# Altium PCB PCB.PcbDoc (continued)
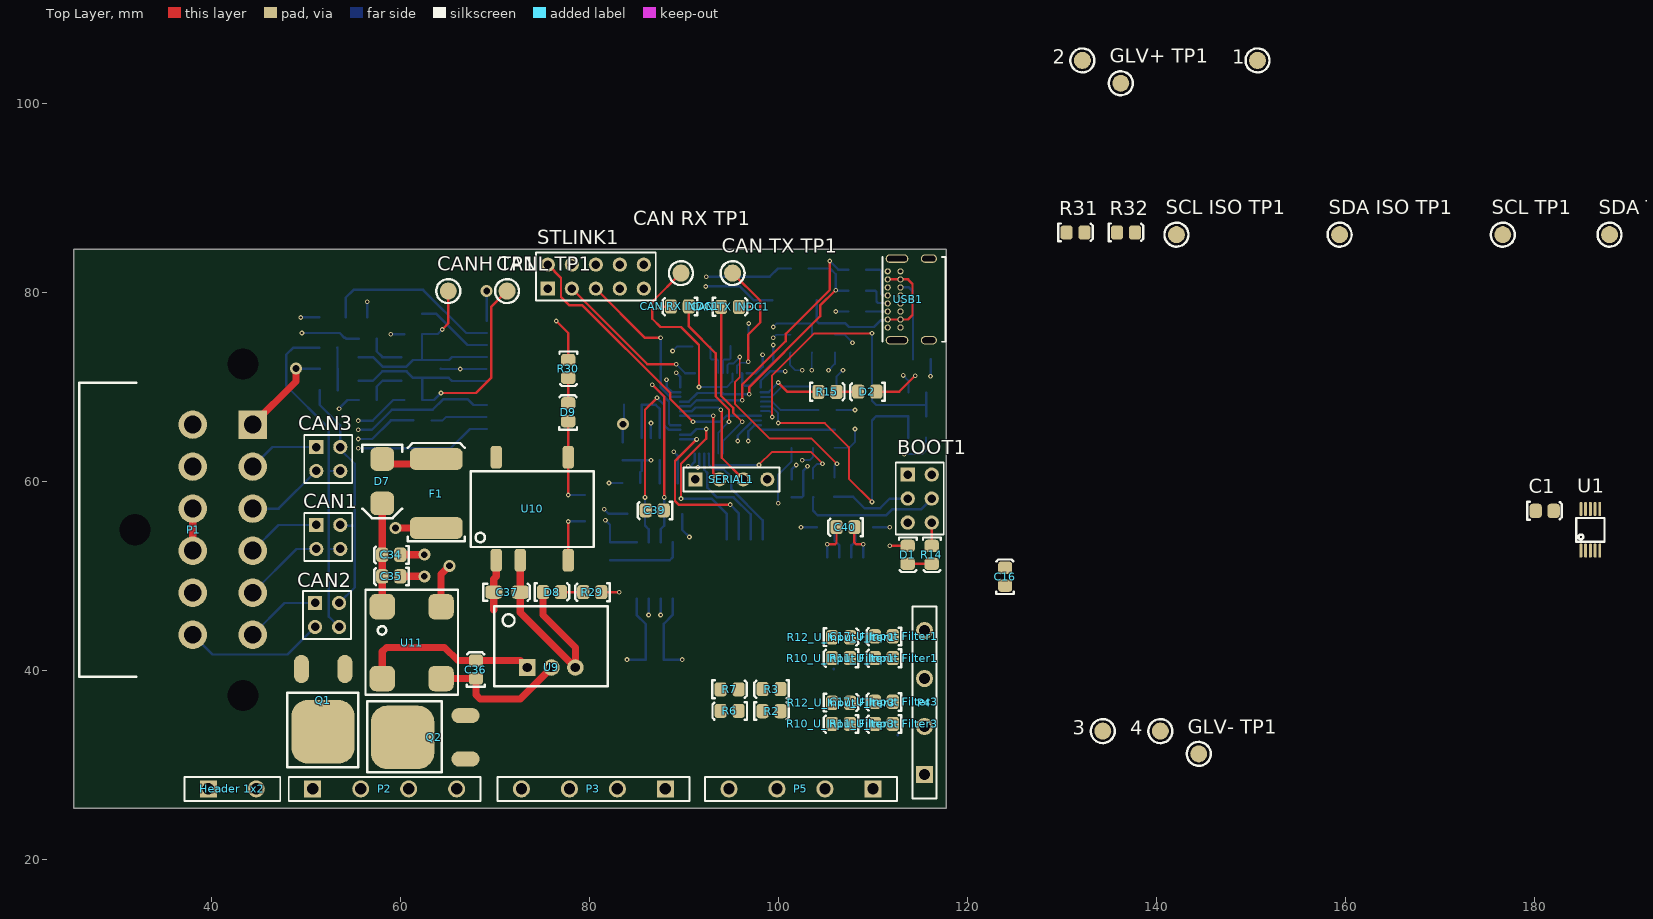
[diagram p0: Top Layer view]
## Footprints (in the part's own frame and the unit in brackets; to place one, negate y for a bottom-side part, rotate by r counter-clockwise, add the part's x,y. Pads: shape width x height; smd on the part's side, far side on the other; paste and mask are expansions set on the pad) (continued)
  rrect50% 1.2x0.3 smd mask+0.05: 13(4.25,-2.75) 14(4.25,-2.25) 15(4.25,-1.75) 16(4.25,-1.25) 17(4.25,-0.75) 18(4.25,-0.25) 19(4.25,0.25) 20(4.25,0.75) 21(4.25,1.25) 22(4.25,1.75) 23(4.25,2.25) 24(4.25,2.75) 37(-4.25,2.75) 38(-4.25,2.25) 39(-4.25,1.75) 40(-4.25,1.25) 41(-4.25,0.75) 42(-4.25,0.25) 43(-4.25,-0.25) 44(-4.25,-0.75) 45(-4.25,-1.25) 46(-4.25,-1.75) 47(-4.25,-2.25) 48(-4.25,-2.75)
  silkscreen extent -3.5,-3.5 3.5,3.5, body extent -4.6,-4.6 4.6,4.6, height 1.6
"STM TO-252 MOSFET" [mm]
  rrect50% 6.7x6.7 smd: D(2.3,-6.65)
  oval 1.6x3 smd: G(4.6,0) S(0,0)
  silkscreen extent -1.5,-10.4 6,-2.5, body extent -1.08,-9.67 5.64,0.75, height 2.39
"TDK 4-PC Pad" [mm]
  rrect50% 1.35x0.9 smd: 1(0,0) 2(0,-2.5) 3(4.55,-2.5) 4(4.55,0)
  silkscreen extent -1,-3.2 5.5,0.7, body extent -0.02,-2.82 4.48,0.38, height 2.8
"TH 2.54mm Header 1x4" [mm]
  rect 1.5x1.5 hole 0.9: 1(0,0)
  round 1.5 hole 0.9: 2(2.54,0) 3(5.08,0) 4(7.62,0)
  silkscreen extent -1.27,-1.27 8.89,1.27
"TH 2.54mm Header 2x2" [mm]
  rect 1.5x1.5 hole 0.9: 1(0,0)
  round 1.5 hole 0.9: 2(0,2.54) 3(2.54,0) 4(2.54,2.54)
  silkscreen extent -1.27,-1.27 3.81,3.81
"TH 2.54mm Header 2x3" [mm]
  rect 1.5x1.5 hole 0.9: 1(0,0)
  round 1.5 hole 0.9: 2(0,2.54) 3(2.54,0) 4(2.54,2.54) 5(5.08,0) 6(5.08,2.54)
  silkscreen extent -1.27,-1.27 6.35,3.81
"TH 2.54mm Header 2x5" [mm]
  rect 1.5x1.5 hole 0.9: 1(0,0)
  round 1.5 hole 0.9: 2(0,2.54) 3(2.54,0) 4(2.54,2.54) 5(5.08,0) 6(5.08,2.54) 7(7.62,0) 8(7.62,2.54) 9(10.16,0) 10(10.16,2.54)
  silkscreen extent -1.27,-1.27 11.43,3.81
"TH 5.08mm Header 1x2" [mm]
  rect 1.8x1.8 hole 1.2: 1(0,0)
  round 1.8 hole 1.2: 2(5.08,0)
  silkscreen extent -2.54,-1.27 7.62,1.27
"TH 5.08mm Header 1x4" [mm]
  rect 1.8x1.8 hole 1.2: 1(0,0)
  round 1.5 hole 0.9: 2(5.08,0)
  round 1.8 hole 1.2: 2(5.08,0) 3(10.16,0) 4(15.24,0)
  silkscreen extent -2.54,-1.27 17.78,1.27
"TI 8-SOIC" [mm]
  oval 1.2x0.6 smd: 1(-9.677,2.54) 2(-9.677,1.27) 3(-9.677,0) 4(-9.677,-1.27) 5(-4.089,-1.27) 6(-4.089,0) 7(-4.089,1.27) 8(-4.089,2.54)
  silkscreen extent -9,-1.78 -4.75,3.18, body extent -9.96,-1.87 -3.76,3.14, height 1.76
"TI 10-VSSOP" [mm]
  rrect50% 1.45x0.3 smd mask+0.05: 1(-2.2,1) 2(-2.2,0.5) 3(-2.2,0) 4(-2.2,-0.5) 5(-2.2,-1) 6(2.2,-1) 7(2.2,-0.5) 8(2.2,0) 9(2.2,0.5) 10(2.2,1)
  silkscreen extent -1.25,-1.5 1.25,1.5, body extent -2.45,-1.5 2.45,1.5, height 1.12
USB4085-GF-A [mm]
  round 0.65 hole 0.4: A1(-2.848,4.025) A4(-1.998,4.025) A5(-1.148,4.025) A6(-0.298,4.025) A7(0.552,4.025) A8(1.402,4.025) A9(2.252,4.025) A12(3.102,4.025) B1(3.102,2.675) B4(2.252,2.675) B5(1.402,2.675) B6(0.552,2.675) B7(-0.298,2.675) B8(-1.148,2.675) B9(-1.998,2.675) B12(-2.848,2.675)
  oval 0.9x2.4 hole 0.6 slot 2.1 at 90 deg: P1(-4.198,3.045) P2(4.452,3.045)
  oval 0.9x1.7 hole 0.6 slot 1.4 at 90 deg: P3(4.452,-0.335) P4(-4.198,-0.335)
  silkscreen extent -4.35,-2.07 4.6,4.58, body extent -4.39,-4.56 4.64,4.61, height 3.46
"Wurth 4-PC Pad" [mm]
  rrect50% 2.7x2.7 smd: 1(7.62,6.22) 2(0,6.22) 3(0,0) 4(7.62,0)
  silkscreen extent -1.7,-1.8 9.4,8, body extent -1.19,-1.24 8.81,7.46, height 6.2

## Part data
1 2 3 4 "CAN RX TP1" "CAN TX TP1" "CANH TP1" "CANL TP1" "GLV+ TP1" "GLV- TP1" "SCL ISO TP1" "SCL TP1" "SDA ISO TP1" "SDA TP1": library part "SMD Test Point", Angle=0, Contact=NA, Flange=No, Part Number="SMD Test Point", Pitch=0mm, Positions=1, Row Spacing=0
BOOT1: library part "TH 2.54mm Header 2x3", Angle=0, Contact=NA, Flange=No, Part Number="TH 2.54mm Header 2x3", Pitch=2.54mm, Positions=6, Row Spacing=2.54mm
C1 C3 C4 C7 C9 C15 C16 "C17_U_Input Filter1" "C17_U_Input Filter2" "C17_U_Input Filter3" "C17_U_Input Filter4" C18 C22 C25 C26 C27 C31 C32 C39 C40: library part GCM21BR71E104KA37L, Manufacturer=muRata, Rated Voltage=25V, Tolerance=10%, Material=X7R, Part Number=GCM21BR71E104KA37L
C2 C5: library part GCM3195C2A103JA16D, Digikey Part Number=490-4978-2-ND, Manufacturer=muRata, Rated Voltage=100V, Tolerance=5%, Material=Ceramic, Part Number=GCM3195C2A103JA16D
C6 C8 C33 C34 C35 C36: library part GRM21BR6YA106KE43L, Digikey Part Number=490-10514-6-ND, Manufacturer=muRata, Rated Voltage=50V, Tolerance=10%, Material=X5R, Part Number=GRM21BR6YA106KE43L
C10 C19 C20 C29 C30: library part GCM21B5C1H220JA37L, Manufacturer=muRata, Rated Voltage=50V, Tolerance=5%, Material=C0G, Part Number=GCM21B5C1H220JA37L
C11 C12 C13 C14: library part GCM21B5C1H101JA37L, Manufacturer=muRata, Rated Voltage=50V, Tolerance=5%, Material=C0G, Part Number=GCM21B5C1H101JA37L
C21 C23 C24: library part AC0805KKX7R8BB105, Manufacturer=YAGEO, Rated Voltage=25V, Tolerance=10%, Material=X7R, Part Number=AC0805KKX7R8BB105
C28: library part GRM21BR61A226ME51L, Digikey Part Number=490-10511-1-ND, Manufacturer=muRata, Rated Voltage=10V, Tolerance=20%, Material=X5R, Part Number=GRM21BR61A226ME51L
C37 C38: library part CC1206MKX5R7BB226, Digikey Part Number=311-1997-2-ND, Manufacturer=YAGEO, Rated Voltage=16V, Tolerance=20%, Material=Ceramic, Part Number=CC1206MKX5R7BB226
CAN1 CAN2 CAN3: library part "TH 2.54mm Header 2x2", Angle=0, Contact=NA, Flange=No, Part Number="TH 2.54mm Header 2x2", Pitch=2.54mm, Positions=4, Row Spacing=2.54mm
"CAN RX INDC1" "CAN TX INDC1": library part SML-MN2BCTT86C, "LED BLUE CLEAR 2012 SMD", Digikey Part Number=846-1207-1-ND, Manufacturer="ROHM Semiconductor", Colour=Blue, Digikey Link=https://www.digikey.com/product-detail/en/rohm-semiconductor/SMLMN2BCTT86C/846-1207-1-ND/6057239, Part Number=SML-MN2BCTT86C
"CAN TERM R1" "CAN TERM R2": library part RC0805FR0756RL, Digikey Part Number=311-56.0CRCT-ND, Manufacturer=YAGEO, Rated Voltage=0.125W, Tolerance=0.01, Material=FR-07, Part Number=RC0805FR0756RL
D1 D2 D8 D9: library part SML-210LTT86, "Red LED Indication - Discrete 1.75V 0805 (2012 Metric)", Digikey Part Number=511-1286-1-ND, Manufacturer="ROHM Semiconductor", Colour=Red, Digikey Link=https://www.digikey.com/product-detail/en/rohm-semiconductor/SML-210LTT86/511-1286-1-ND/637099, Part Number=SML-210LTT86
D3 D5 D7 D10: "1.2V_F 600V 5A SMB", Digikey Part Number=1655-1530-2-ND, Manufacturer="SMC Diode Solutions", Digikey Link=https://www.digikey.com/product-detail/en/smc-diode-solutions/SD560BTR/1655-1530-2-ND/6022620, Part Number=SD560BTR
D4 D6: library part SML-211DTT86, "Orange LED Indication - Discrete 1.75V 0805 (2012 Metric)", Digikey Part Number=511-1291-1-ND, Manufacturer="ROHM Semiconductor", Colour=Orange, Digikey Link=https://www.digikey.com/product-detail/en/rohm-semiconductor/SML-211DTT86/511-1291-1-ND/637104, Part Number=SML-211DTT86
F1: "PTC RESET FUSE 60V 1A 292", Digikey Part Number=507-2070-1-ND, Manufacturer="Littelfuse Inc.", Digikey Link=https://www.digikey.com/product-detail/en/bel-fuse-inc/0ZCF0100AF2A/507-2070-1-ND/6210547, Part Number=0ZCF0100AF2A
"Header 1x2": library part "TH 5.08mm Header 1x2", Angle=0, Contact=NA, Flange=No, Part Number="TH 5.08mm Header 1x2", Pitch=2.54mm, Positions=2, Row Spacing=5.08mm
P1: Digikey Part Number=1734-1451-ND, Angle=90, Contact=Nickel, Digikey Link=https://www.digikey.com.au/product-detail/en/te-connectivity-deutsch-connectors/DT13-12PA/1734-1451-ND/7220123, Flange=Yes, Part Number=DT13-12P, Pitch=4.44mm, Positions=12, Row Spacing=6.35mm
P2 P3 P4 P5: library part "TH 5.08mm Header 1x4", Angle=0, Contact=NA, Flange=No, Part Number="TH 5.08mm Header 1x4", Pitch=2.54mm, Positions=4, Row Spacing=5.08mm
"PCB NTC1": library part NTCS0805E3103FLT, Digikey Part Number=BC2733CT-ND, Manufacturer="Vishay Beyschlag", Rated Voltage=210mW, Tolerance=0.01, Part Number=NTCS0805E3103FLT
Q1 Q2: "N-Channel 100V 60A (Tc) 125W (Tc) Surface Mount DPAK", Digikey Part Number=497-8806-2-ND, Manufacturer=STMicroelectronics, Digikey Link=https://www.digikey.com/product-detail/en/stmicroelectronics/STD70N10F4/497-8806-2-ND/2035599, LatestRevisionDate=29-May-2009, LatestRevisionNote="IPC-7351 Footprint Added.", PackageDescription="4-Pin SOT-343 Package 1.3 mm Pitch, 2.1 mm Lead Span", PackageReference=SOT-343, PackageVersion=Sep-2000, Part Number=STD70N10F4, Published=24-Mar-1999, Publisher="Altium Limited"
R1: library part RC0805FR070RL, Digikey Part Number=311-0.0CRCT-ND, Manufacturer=YAGEO, Rated Voltage=0.125W, Tolerance=0.01, Material=FR-07, Part Number=RC0805FR070RL
R2 R3 R4 R5 R6 R7 R8 R9 "R10_U_Input Filter1" "R10_U_Input Filter2" "R10_U_Input Filter3" "R10_U_Input Filter4" "R12_U_Input Filter1" "R12_U_Input Filter2" "R12_U_Input Filter3" "R12_U_Input Filter4" R13 R18 R21 R24 R27: library part RC0805FR0710KL, Digikey Part Number=311-10.0KCRCT-ND, Manufacturer=YAGEO, Rated Voltage=0.125W, Tolerance=0.01, Material=FR-07, Part Number=RC0805FR0710KL
"R11_U_Input Filter1" "R11_U_Input Filter2" "R11_U_Input Filter3" "R11_U_Input Filter4": library part RC0805FR071KL, Digikey Part Number=311-1.00KCRCT-ND, Manufacturer=YAGEO, Rated Voltage=0.125W, Tolerance=0.01, Material=FR-07, Part Number=RC0805FR071KL
R14 R15 R30: library part RC0805FR07510RL, Digikey Part Number=311-510CRCT-ND, Manufacturer=YAGEO, Rated Voltage=0.125W, Tolerance=0.01, Material=FR-07, Part Number=RC0805FR07510RL
R16 R17 R29: library part RC0805FR07680RL, Digikey Part Number=311-680CRCT-ND, Manufacturer=YAGEO, Rated Voltage=0.125W, Tolerance=0.01, Material=FR-07, Part Number=RC0805FR07680RL
R19 R20: library part RC0805FR075K1L, Digikey Part Number=311-5.10KCRCT-ND, Manufacturer=YAGEO, Rated Voltage=0.125W, Tolerance=0.01, Material=FR-07, Part Number=RC0805FR075K1L
R22: library part RC0805FR0710ML, Digikey Part Number=311-10.0MCRCT-ND, Manufacturer=YAGEO, Rated Voltage=0.125W, Tolerance=0.01, Material=FR-07, Part Number=RC0805FR0710ML
R23 R26: library part RC0805FR071K5L, Digikey Part Number=311-1.50KCRCT-ND, Manufacturer=YAGEO, Rated Voltage=0.125W, Tolerance=0.01, Material=FR-07, Part Number=RC0805FR071K5L
R25 R28: library part RC0805FR0720KL, Digikey Part Number=311-20.0KCRCT-ND, Manufacturer=YAGEO, Rated Voltage=0.125W, Tolerance=0.01, Material=FR-07, Part Number=RC0805FR0720KL
R31 R32 R33 R34: library part RC0805FR073K3L, Digikey Part Number=311-3.30KCRCT-ND, Manufacturer=YAGEO, Rated Voltage=0.125W, Tolerance=0.01, Material=FR-07, Part Number=RC0805FR073K3L
R35: library part RC0805FR071K5L, Manufacturer=YAGEO, Rated Voltage=0.125W, Tolerance=0.01, Material=FR-07, Part Number=RC0805FR071K5L
R36 R37: library part RC0805FR0720RL, Manufacturer=YAGEO, Rated Voltage=0.125W, Tolerance=0.01, Material=FR-07, Part Number=RC0805FR0720RL
R38 R39: library part RC0805FR075K1L, Manufacturer=YAGEO, Rated Voltage=0.125W, Tolerance=0.01, Material=FR-07, Part Number=RC0805FR075K1L
SERIAL1: library part "TH 2.54mm Header 1x4", Angle=0, Contact=NA, Flange=No, Part Number="TH 2.54mm Header 1x4", Pitch=2.54mm, Positions=4, Row Spacing=2.54mm
STLINK1: library part "TH 2.54mm Header 2x5", Angle=0, Contact=NA, Flange=No, Part Number="TH 2.54mm Header 2x5", Pitch=2.54mm, Positions=10, Row Spacing=2.54mm
U1: "16 Bit Analog to Digital Converter 2, 4 Input 1 Sigma-Delta 10-VSSOP", Digikey Part Number=296-38849-1-ND, Manufacturer="Texas Instruments", Digikey Link=https://www.digikey.com/product-detail/en/texas-instruments/ADS1115IDGSR/296-38849-1-ND/5142969, Part Number=ADS1115
U2: "Isolated CAN Transceiver", Digikey Part Number=ADM3053BRWZ-ND, Manufacturer="Analogue Devices", Digikey Link=https://www.digikey.com/product-detail/en/analog-devices-inc/ADM3053BRWZ/ADM3053BRWZ-ND/2709332, Part Number=ADM3053
U3: "100µH @ 100kHz 2 Line Common Mode Choke Surface Mount 5.8 kOhms @ 10MHz 150mA DCR 2Ohm", Digikey Part Number=495-4598-1-ND, Inductance="100µH @ 100kHz", Manufacturer="EPCOS (TDK)", Rated Current=150mA, Digikey Link=https://www.digikey.com/product-detail/en/epcos-tdk/B82787C0104H002/495-4598-2-ND/3680998, Impedence="5.8 kOhms @ 10MHz", Material=Wirewound, Part Number=B82787C0104H002
U4: "Dual Line CAN Bus Protector", Digikey Part Number=NUP2105LT1GOSCT-ND, Manufacturer="ON Semiconductor", Digikey Link=https://www.digikey.com/product-detail/en/on-semiconductor/NUP2105LT1G/NUP2105LT1GOSCT-ND/1485001, Part Number=NUP2105L
U5: "General Purpose Digital Isolator 2500Vrms 4 Channel 1Mbps 25kV/µs CMTI 16-SOIC (0.295\", 7.50mm Width)", Digikey Part Number=ADUM1400WSRWZ-ND, Manufacturer="Analog Devices", Digikey Link=https://www.digikey.com/product-detail/en/analog-devices-inc/ADUM1400WSRWZ/ADUM1400WSRWZ-ND/1873713, Part Number=ADuM1400
U6: "ARM® Cortex®-M3 STM32F1 Microcontroller IC 32-Bit 72MHz 64KB (64K x 8) FLASH", Digikey Part Number=497-6063-ND, Manufacturer=STMicroelectronics, Digikey Link=https://www.digikey.com/product-detail/en/stmicroelectronics/STM32F103C8T6/497-6063-ND/1646338, Part Number=STM32F103C8T6
U7: "IC REG LINEAR 3.3V 300MA SOT23-5", Digikey Part Number=1028-1014-1-ND, Manufacturer=Richtek, Digikey Link=https://www.digikey.com/products/en?keywords=1028-1014-1-ND, Part Number=RT9193-33GB
U8: "4A Gate Driver Magnetic Coupling 2500Vrms 2 Channel 8-SOIC", Digikey Part Number=ADUM3221ARZ-ND, Manufacturer="Analog Devices", Digikey Link=https://www.digikey.com/product-detail/en/analog-devices-inc/ADUM3221ARZ/ADUM3221ARZ-ND/2616333, Part Number=ADUM3221ARZ
U9: "CONV DC/DC 1A 5V OUT SIP VERT", Digikey Part Number=945-1395-5-ND, Manufacturer=Recom, Digikey Link=https://www.digikey.com.au/product-detail/en/recom-power/R-78C5.0-1.0/945-1395-5-ND/2652148, Isolation=Non-Isolated, Part Number=R-78C5.0-1.0
U10: "Isolated Module DC DC Converter 1 Output 3.3V 606mA 4.5V - 5.5V Input", Digikey Part Number=945-1764-5-ND, Input Voltage=4.5V-5.5V, Manufacturer=Recom, Output Power=2W, Output Voltage=5V, Digikey Link=https://www.digikey.com/product-detail/en/recom-power/R2S-0505-HP/945-1764-5-ND/2302761, Efficiency=0.85, Isolation=Isolated, Part Number=R2S-0505/HP
U11: "120µH @ 100kHz 2 Line Common Mode Choke Surface Mount 460 Ohms @ 30MHz 2.5A DCR 25mOhm", Digikey Part Number=732-1489-1-ND, Inductance="120uH @ 100kHz", Manufacturer="Wurth Electronics Inc", Rated Current=2.5A, Digikey Link=https://www.digikey.com/product-detail/en/w-rth-elektronik/744272121/732-1489-1-ND/1639501, Impedence="460 Ohms @ 30MHz", Material=Wirewound, Part Number=744272121
U12: "I2C Digital Isolator (Multichannel)", Digikey Part Number=296-34871-1-ND, Manufacturer="Texas Instruments", Digikey Link=https://www.digikey.com/product-detail/en/texas-instruments/ISO1540DR/296-34871-1-ND/3587214, Part Number=ISO1540DR
USB1: "USB - C (Type - C) USB 2.0 Receptacle Connector 16 Position Through Hole, Right Angle", Digikey Part Number=2073-USB4085-GF-ACT-ND, Angle=90, Digikey Link=https://www.digikey.ee/product-detail/en/gct/USB4085-GF-A/2073-USB4085-GF-ACT-ND/9859733, Part Number=USB4085-GF-A
X1: library part ABLS-8.000MHZ-B4-T, Digikey Part Number=535-10212-2-ND, Load Capacitance=18pF, Manufacturer="Abracon LLC", Digikey Link=https://www.digikey.com/product-detail/en/abracon-llc/ABLS-8.000MHZ-B4-T/535-10212-2-ND/2184155, ESR=80R, Part Number=ABLS-8.000MHZ-B4-T
X2: library part "FC-135 32.7680KA-A5", Digikey Part Number=SER4103TR-ND, Load Capacitance=12.5pF, Manufacturer=EPSON, Digikey Link=https://www.digikey.com/product-detail/en/epson/FC-135-32.7680KA-A5/SER4103TR-ND/5259895, ESR=70k, Part Number="FC-135 32.7680KA-A5"

## Via types
v1: diameter 0.5, hole 0.25, Top Layer to Bottom Layer, 96 vias
v2: diameter 1.27, hole 0.711, Top Layer to Bottom Layer, 6 vias
v3: diameter 1.27, hole 0.764, Top Layer to Bottom Layer, 1 vias

## Nets (pads, with @x,y where several pads share a name; then routed paths per layer and width w, separated by ;. In a path a pad name is that pad's centre, name@x,y a point inside that pad or via, vN(x,y) a via of type N, cw(c..) or ccw(c..) an arc to the next point about the centre after c; other vN are vias at no path point)
0V: 3.1 "C17_U_Input Filter1.1" "C17_U_Input Filter2.1" "C17_U_Input Filter3.1" "C17_U_Input Filter4.1" "R12_U_Input Filter1.1" "R12_U_Input Filter2.1" "R12_U_Input Filter3.1" "R12_U_Input Filter4.1" C1.1 C15.1 C32.1 C33.1 C36.1 C37.1 C39.1 R3.1 R5.1 R7.1 R9.1 R29.1 U1.3 U5.2 U5.8 U8.5 U9.2 U10.1 U11.3 U12.5 | length 31.1
  Top Layer w0.254: R29.1 83.135,48.26 v1(83.139,48.255)
  Top Layer w0.754: U11.3 C36.1 67.945,37.399 68.387,36.957 72.644,36.957 75.946,40.259 U9.2 ; 69.844,46.387 C37.1 69.844,49.651 70.104,49.911 U10.1
  Bottom Layer w0.254: U8.5 88.773,45.847 87.83,44.904 C33.1 C32.1 v1(89.789,41.122) ; 105.819,40.132 105.845,40.106 ; 112.603,33.121 112.629,33.147
"0V (ISO)": 4.1 "PCB NTC1.1" BOOT1.5 BOOT1.6 C2.1 C3.1 C8.1 C9.1 C16.1 C18.1 C19.1 C20.1 C21.1 C22.1 C23.1 C24.1 C25.1 C26.1 C27.1 C28.1 C29.1 C30.1 C31.1 C38.1 C40.1 R14.1 R16.1 R17.1 R24.1 R27.1 R30.1 R38.2 R39.2 SERIAL1.4 STLINK1.1 U2.1 U2.3 U2.7 U2.9 U2.10 U5.9 U5.15 U6.8 U6.23 U6.35 U6.47 U7.2 U8.4 U10.4 U12.4 USB1.A1 USB1.A12 USB1.B1 USB1.B12 USB1.P1 | length 90
  Top Layer w0.254: v1(76.454,76.962) 77.724,75.692 R30.1 ; U10.4 v1(77.724,55.746) v1@77.724,55.758 ; C40.1 108.023,53.521 108.204,53.34 v1(108.966,53.34) ; R14.1 BOOT1.6
  Bottom Layer w0.203: v1(99.441,75.184) 99.768,75.511 C27.1 ; v1(99.441,76.327) 99.822,76.708 103.412,76.708 103.531,76.589 C26.1 ; v1(102.489,62.23) 103.277,62.23 103.644,62.597 C18.1 ; 105.93,63.552 107.494,63.552 108.077,64.135 v1(108.077,65.532) ; C25.1 106.988,75.511 107.823,74.676 v1(107.823,74.674) ; C20.1 v1(108.077,67.538) ; C19.1 106.118,71.066 v1(106.807,71.755) ; v1(113.181,71.206) 113.738,70.649 C30.1 ; v1(113.284,62.865) 115.189,62.865 115.613,63.289 C29.1
  Bottom Layer w0.254: v1(77.724,55.746) C38.1 ; v1(81.534,57.023) 82.011,56.546 R24.1 ; v1(82.042,59.817) C23.1 ; C31.1 88.476,51.646 88.773,51.943 U8.4 ; C22.1 v2(83.511,66.04) 83.628,66.157 C21.1 ; U7.2 86.48,64.599 86.48,66.155 v1(86.483,66.158) ; v1(88.132,70.742) 88.134,70.74 88.134,70 88.701,69.433 U6.35 ; v1(88.9,63.119) 89.328,62.691 C28.1 ; R27.1 89.784,54.869 v1(90.551,54.102) ; R17.1 92.176,78.46 v1(92.202,78.486) 92.228,78.512 R16.1 ; v1(91.44,61.468) 91.603,61.631 U6.23 ; v1(95.678,64.262) 95.678,64.829 97.282,66.433 U6.8 ; U6.47 96.126,71.41 96.126,70.371 96.393,70.104 96.913,70.104 99.441,72.632 99.441,74.422 v1(99.439,74.424) ; C24.1 101.372,61.24 v1(101.854,61.722) ; v1(106.045,77.978) 106.05,77.973 R38.2 ; U12.4 v1(108.966,53.34) ; v1(116.078,71.12) 116.102,71.144 116.102,72.9 R39.2
"3.3V (ISO)": BOOT1.1 BOOT1.2 C22.2 C23.2 C24.2 C25.2 C26.2 C27.2 C40.2 D1.A D2.A R33.2 R34.2 SERIAL1.1 STLINK1.7 STLINK1.8 U6.1 U6.9 U6.24 U6.36 U6.48 U7.5 U12.1 | length 44.2
  Top Layer w0.254: v1(105.156,53.34) 105.974,53.34 106.123,53.489 C40.2 ; D2.A 112.763,69.489 v1(114.457,71.182) ; v1(111.76,53.159) D1.A
  Bottom Layer w0.203: C27.2 101.219,73.585 101.219,72.284 101.748,71.755 v1(102.489,71.755) ; v1(103.505,71.755) 103.505,73.585 C26.2 ; v1(105.283,71.755) 105.283,71.761 105.944,72.422 C25.2
  Bottom Layer w0.254: C22.2 U7.5 ; C23.2 85.344,60.96 85.528,61.144 U7.5 ; v1(86.487,62.23) 85.532,62.23 U7.5 ; v1(89.154,71.501) 89.603,71.052 U6.36 ; v1(90.424,61.595) 90.651,61.595 91.103,62.047 U6.24 ; U6.48 97.595,71.433 98.298,72.136 v1(98.298,73.406) ; v1(96.774,64.262) 96.774,65.278 97.429,65.933 U6.9 ; U6.1 98.103,70.648 99.083,71.628 v1(100.711,71.628) ; C24.2 102.467,58.323 102.616,58.471 102.616,61.14 v1(103.055,61.579) ; v1(102.362,55.144) R34.2 ; U12.1 v1(105.156,53.34) ; R33.2 v1(111.76,55.144)
5kW: P1.8
5V: 1.1 "R10_U_Input Filter1.2" "R10_U_Input Filter2.2" "R10_U_Input Filter3.2" "R10_U_Input Filter4.2" C1.2 C15.2 C32.2 C33.2 C37.2 C39.2 D8.A P3.1 P3.2 R2.2 R4.2 R6.2 R8.2 R31.2 R32.2 U1.1 U1.8 U5.1 U8.8 U9.3 U10.2 U12.8 | length 32
  Top Layer w0.754: U10.2 C37.2 72.644,46.101 78.486,40.259 78.486,42.418 75.057,45.847 D8.A
  Bottom Layer w0.254: v1(83.947,41.122) C32.2 C33.2 85.93,44.88 84.963,45.847 U8.8
"5V (ISO)": 2.1 C2.2 C3.2 C8.2 C9.2 C16.2 C21.2 C31.2 C38.2 D9.A D10.K R13.2 R19.2 R20.2 R35.2 U2.6 U2.8 U5.10 U5.16 U7.1 U7.3 U8.1 U10.5 | length 51.7
  Top Layer w0.254: v1(77.724,58.546) U10.5 D9.A
  Bottom Layer w0.203: v1(88.773,73.787) 89.255,74.269 R19.2 ; R20.2 v1(96.823,76.708) ; v1(99.949,57.658) 99.949,60.706 101.372,62.129 R13.2
  Bottom Layer w0.254: v1(77.724,58.546) C38.2 ; v1(81.661,55.88) 82.143,55.398 C31.2 U8.1 ; U7.1 C21.2 86.969,68.098 87.428,67.639 U7.3 ; v1(92.286,80.625) 95.905,80.625 97.381,79.149 D10.K ; v1(92.329,81.661) 99.06,81.661 99.923,82.524 R35.2
12V/24V: C36.2 U9.1 U11.2 | length 19.3
  Top Layer w0.754: U11.2 58.039,41.976 58.481,42.418 64.643,42.418 66.045,41.016 C36.2 72.675,41.016 U9.1
BOOT0: BOOT1.3 R21.1 | length 8.7
  Bottom Layer w0.254: R21.1 107.896,58.347 109.093,57.15 110.744,57.15 111.76,58.166 BOOT1.3
BOOT1: BOOT1.4 R18.2 | length 15
  Bottom Layer w0.254: R18.2 103.632,58.296 103.632,56.896 104.14,56.388 111.379,56.388 112.014,57.023 115.062,57.023 BOOT1.4
CAN1H: CAN1.3 P1.5 | length 8.6
  Bottom Layer w0.254: P1.5 48.96,52.832 CAN1.3
CAN1L: CAN1.1 P1.4 | length 7.9
  Bottom Layer w0.254: P1.4 47.05,55.372 CAN1.1
CAN2H: CAN2.3 P1.7 | length 15
  Bottom Layer w0.254: P1.7 40.07,41.656 48.006,41.656 CAN2.3
CAN2L: CAN2.1 P1.6 | length 8
  Bottom Layer w0.254: P1.6 47.695,47.117 CAN2.1
CAN3H: CAN3.3 P1.3 | length 8.4
  Bottom Layer w0.254: P1.3 47.066,57.099 CAN3.3
CAN3L: CAN3.1 P1.2 | length 7.6
  Bottom Layer w0.254: P1.2 46.405,63.627 CAN3.1
"CAN RX INDC": "CAN RX INDC1.A" U6.19 | length 17.8
  Top Layer w0.254: 90.497,78.512 90.497,76.381 93.345,73.533 93.345,68.974 94.742,67.577 v1@94.742,66.294
  Bottom Layer w0.203: U6.19 93.603,65.159 v1(94.738,66.294)
"CAN TX INDC": "CAN TX INDC1.A" U6.18 | length 17.3
  Top Layer w0.254: 93.907,78.46 93.907,69.058 95.199,67.766 95.199,67.234 v1@96.139,66.294
  Bottom Layer w0.203: U6.18 94.103,64.262 v1(96.135,66.294)
CANH: "CAN TERM R1.2" C12.2 CAN1.4 CAN2.4 CAN3.4 U3.1 | length 41.6
  Bottom Layer w0.254: 51.386,74.15 48.623,74.15 47.879,73.406 47.879,70.104 52.39,65.593 52.39,61.087 ; CAN2.4 52.39,45.654 52.39,52.832 ; CAN1.4 52.39,52.832 ; CAN3.4 52.39,61.087 ; C12.2 57.453,73.738 58.05,73.141 U3.1 ; 52.39,52.832 52.39,61.087
CANL: "CAN TERM R2.1" C11.2 CAN1.2 CAN2.2 CAN3.2 U3.2 | length 30.6
  Bottom Layer w0.254: 51.41,69.631 51.41,68.097 53.594,65.913 CAN3.2 53.594,63.373 55.118,61.849 55.118,55.308 ; CAN2.2 55.118,48.768 55.118,55.308 ; CAN1.2 53.657,55.308 55.118,55.308 ; C11.2 57.453,70.026 58.068,70.641 U3.2
CANS: C4.1 C5.1 C6.1 C7.1 C10.1 C11.1 C12.1 C13.1 C14.1 P1.1 R1.1 U2.11 U2.13 U2.16 U2.20 U4.3 | length 74.2
  Top Layer w0.764: P1.1 48.895,70.567 v3(48.895,71.927)
  Bottom Layer w0.203: v1(66.294,71.882) U2.16
  Bottom Layer w0.254: v3(48.895,71.927) C10.1 ; v1(49.403,77.343) C5.1 ; v1(49.53,75.692) 53.531,75.692 54.039,75.184 54.102,75.184 54.203,75.083 C12.1 ; v1(53.467,67.691) 54.376,68.6 C11.1 ; v1(55.499,63.5) 65.278,63.5 67.31,65.532 U2.11 ; v1(55.499,64.474) 56.981,64.474 58.954,66.447 C7.1 ; v1(55.499,65.447) 56.938,65.447 59.055,67.564 63.373,67.564 64.511,68.702 C6.1 67.061,68.702 67.691,68.072 U2.13 ; v1(55.499,66.421) 57.023,66.421 59.202,68.6 C13.1 ; C4.1 v1(56.442,78.994) ; v1(58.928,75.565) 60.353,75.565 C14.1 ; U4.3 64.255,71.882 v1(66.294,71.882) ; U2.20 v2(69.088,80.137)
"Digital 1": P5.1 R2.1 R3.2 U5.3
"Digital 2": P5.2 R4.1 R5.2 U5.4
"Digital 3": P5.3 R6.1 R7.2 U5.5
"Digital 4": P5.4 R8.1 R9.2 U5.6
"Driver 1": D3.A D4.K P2.2 Q1.D
"Driver 2": D5.A D6.K P2.4 Q2.D
GLV+: "GLV+ TP1.1" "Header 1x2.1" D3.K D5.K F1.1 P1.12 P2.1 P2.3 R23.2 R26.2 | length 4.3
  Top Layer w0.764: v2(59.436,55.053) F1.1
GLV-: Q1.S Q2.S R25.1 R28.1
GLV-: "GLV- TP1.1" "Header 1x2.2" C34.1 C35.1 P1.11 U11.4 | length 9.8
  Top Layer w0.764: C35.1 v2(62.484,49.937) ; C34.1 v2(62.484,52.223) ; U11.4 64.259,50.162 v2(65.151,51.054)
"Green In": P1.9 P1.10 | length 4.4
  Top Layer w0.764: P1.9 P1.10
NetC4_2: C4.2 C5.2 C6.2 C7.2 U2.12 U2.19 | length 25.2
  Bottom Layer w0.203: C7.2 64.415,66.447 64.77,66.802 C6.2 U2.12
  Bottom Layer w0.254: C5.2 54.175,79.448 54.991,80.264 62.357,80.264 66.929,75.692 U2.19
NetC10_2: "CAN TERM R1.1" "CAN TERM R2.2" C10.2 | length 4.5
  Bottom Layer w0.254: 53.286,74.15 53.298,74.138 53.298,71.94 C10.2 53.31,69.631
NetC13_2: "CANL TP1.1" C13.2 U2.15 U3.3 U4.1 | length 34.9
  Top Layer w0.254: v1(64.262,69.342) 67.945,69.342 69.596,70.993 69.596,78.486 71.247,80.137
  Bottom Layer w0.254: U3.3 57.052,70.641 58.039,71.628 60.616,71.628 61.303,70.941 U4.1 ; v1(64.262,69.342) 63.52,68.6 C13.2 62.262,70.924 U4.1 ; U2.15 65.405,70.612 65.076,70.941 U4.1
NetC14_2: "CANH TP1.1" C14.2 U2.17 U3.4 U4.2 | length 23.8
  Top Layer w0.254: v1(64.389,76.073) 65.024,76.708 65.024,80.137
  Bottom Layer w0.254: U3.4 57.056,73.141 58.061,72.136 60.598,72.136 61.303,72.841 U4.2 ; v1(64.389,76.073) 63.907,75.591 C14.2 62.246,75.558 U4.2 ; U2.17 65.405,73.152 65.094,72.841 U4.2
"NetC17_U_Input Filter1_2": "C17_U_Input Filter1.2" "R10_U_Input Filter1.1" "R11_U_Input Filter1.2" "R12_U_Input Filter1.2" U1.7
"NetC17_U_Input Filter2_2": "C17_U_Input Filter2.2" "R10_U_Input Filter2.1" "R11_U_Input Filter2.2" "R12_U_Input Filter2.2" U1.6
"NetC17_U_Input Filter3_2": "C17_U_Input Filter3.2" "R10_U_Input Filter3.1" "R11_U_Input Filter3.2" "R12_U_Input Filter3.2" U1.5
"NetC17_U_Input Filter4_2": "C17_U_Input Filter4.2" "R10_U_Input Filter4.1" "R11_U_Input Filter4.2" "R12_U_Input Filter4.2" U1.4
NetC28_2: C28.2 U7.4 | length 2.4
  Bottom Layer w0.254: C28.2 U7.4
NetC34_2: C34.2 C35.2 D7.K U11.1 | length 10.9
  Top Layer w0.764: U11.1 C34.2 D7.K
"NetCAN RX INDC1_K": "CAN RX INDC1.K" R17.2 | length 2.7
  Top Layer w0.254: v1(87.249,78.46) 88.545,78.46 88.597,78.512
  Bottom Layer w0.254: v1(87.249,78.46) R17.2
"NetCAN RX TP1_1": "CAN RX TP1.1" U2.4 U6.45 | length 21.3
  Top Layer w0.254: 89.662,82.042 86.618,78.998 86.618,77.212 87.503,76.327 89.662,76.327 91.567,74.422 v1@91.567,69.977
  Bottom Layer w0.203: v1(91.563,69.977) 94.497,69.977 95.103,70.583 U6.45
"NetCAN TX INDC1_K": "CAN TX INDC1.K" R16.2 | length 2.8
  Top Layer w0.254: 95.807,78.46 97.163,78.46 v1(97.215,78.512)
  Bottom Layer w0.254: R16.2 v1(97.215,78.512)
"NetCAN TX TP1_1": "CAN TX TP1.1" U2.5 U6.46 | length 13.3
  Top Layer w0.254: 95.123,82.042 98.044,79.121 98.044,76.805 96.774,75.535 v1@96.774,72.644
  Bottom Layer w0.203: U6.46 95.603,72.239 95.911,72.546 96.673,72.546 v1(96.77,72.644)
NetD1_K: D1.K R14.2 | length 2.5
  Top Layer w0.254: D1.K R14.2
NetD2_K: D2.K R15.2 | length 2.3
  Top Layer w0.254: R15.2 106.124,69.473 108.415,69.473 D2.K
NetD4_A: D4.A R23.1
NetD6_A: D6.A R26.1
NetD7_A: D7.A F1.2 | length 5.7
  Top Layer w0.754: D7.A@58.039,61.845 F1.2@63.754,61.845
NetD8_K: D8.K R29.2 | length 2.4
  Top Layer w0.254: D8.K R29.2
NetD9_K: D9.K R30.2 | length 2.7
  Top Layer w0.254: D9.K R30.2
NetD10_A: D10.A USB1.A4 USB1.A9 USB1.B4 USB1.B9 | length 19.3
  Top Layer w0.254: USB1.A4 USB1.B9 113.699,77.123 114.173,77.597 114.173,80.899 113.699,81.373 USB1.B4 USB1.A9
  Bottom Layer w0.254: D10.A 104.013,76.962 104.267,76.708 107.061,76.708 107.442,76.327 110.109,76.327 110.839,77.057 111.479,77.057 USB1.A4
NetQ1_G: Q1.G R25.2 U8.7 | length 1.7
  Bottom Layer w0.254: v1(86.233,45.847) U8.7
NetQ2_G: Q2.G R28.2 U8.6 | length 1.7
  Bottom Layer w0.254: v1(87.503,45.847) U8.6
NetR1_2: R1.2 U2.18 | length 8.2
  Bottom Layer w0.254: R1.2 63.728,77.75 67.056,74.422 U2.18
NetR18_1: R18.1 U6.20 | length 16.1
  Top Layer w0.203: v1(97.917,61.722) 99.314,63.119 103.378,63.119 v1(104.648,61.849)
  Bottom Layer w0.203: U6.20 93.103,61.841 93.222,61.722 v1(97.917,61.722) ; R18.1@103.658,60.271 103.658,61.405 104.102,61.849 v1(104.648,61.849)
NetR19_1: "SCL TP1.1" R19.1 R31.1 U6.42 U12.6 | length 3.5
  Bottom Layer w0.203: R19.1 92.783,73.017 92.902,72.898 93.488,72.898 93.607,72.779 U6.42@93.607,71.433
NetR20_1: "SDA TP1.1" R20.1 R32.1 U6.43 U12.7 | length 3.6
  Bottom Layer w0.203: U6.43 94.103,72.779 94.222,72.898 94.804,72.898 94.923,73.017 R20.1
NetR21_2: R21.2 U6.44 | length 22.7
  Top Layer w0.203: v1(95.885,73.152) 95.885,71.004 95.377,70.496 95.377,68.199 99.06,64.516 103.505,64.516 v1(106.172,61.849)
  Bottom Layer w0.203: U6.44 94.603,72.337 94.722,72.456 95.189,72.456 v1(95.885,73.152) ; R21.2@105.892,60.374 105.892,61.569 v1(106.172,61.849)
NetR24_2: R24.2 U6.27 U8.2 | length 21.1
  Top Layer w0.254: v1(85.852,58.293) 85.852,67.568 v1(87.116,68.832)
  Bottom Layer w0.254: v1(85.852,58.293) R24.2 85.852,55.308 86.233,54.927 U8.2 ; v1(87.116,68.832) 87.12,68.832 87.888,68.064 87.888,65.935 88.39,65.433 U6.27
NetR27_2: R27.2 U6.28 U8.3 | length 23.5
  Top Layer w0.254: v1(86.614,70.231) 86.614,70.227 87.884,68.957 v1(87.884,58.293)
  Bottom Layer w0.254: v1(86.614,70.231) 86.614,70.227 88.388,68.453 88.388,66.082 88.537,65.933 U6.28 ; U8.3 87.503,54.927 87.884,55.308 R27.2 v1(87.884,58.293)
NetR33_1: "SCL ISO TP1.1" R33.1 U1.10 U12.3 | length 3.4
  Bottom Layer w0.254: U12.3 107.696,53.213 108.131,53.648 R33.1
NetR34_1: "SDA ISO TP1.1" R34.1 U1.9 U12.2 | length 3.4
  Bottom Layer w0.254: R34.1 105.912,53.727 106.426,53.213 U12.2
NetR36_1: R36.1 USB1.A6 USB1.B6 | length 3.4
  Bottom Layer w0.254: R36.1 110.214,80.185 110.363,80.036 110.363,79.016 110.512,78.867 111.501,78.867 USB1.A6
NetR37_1: R37.1 USB1.A7 USB1.B7 | length 4.8
  Bottom Layer w0.254: R37.1 110.722,82.397 110.871,82.248 110.871,79.822 111.02,79.673 USB1.A7
NetR38_1: R38.1 USB1.A5 | length 2.3
  Bottom Layer w0.254: R38.1 USB1.A5
NetR39_1: R39.1 USB1.B5 | length 8.7
  Bottom Layer w0.254: USB1.B5 112.9,80.518 113.792,80.518 114.227,80.083 R39.1
NetU5_11: U5.11 U6.26 | length 19.7
  Top Layer w0.254: v1(89.662,58.166) 89.662,61.849 92.333,64.52 v1(92.333,65.532)
  Bottom Layer w0.254: U6.26 90.714,64.933 91.313,65.532 v1(92.333,65.532) ; v1(89.662,58.166) 92.898,58.166 94.488,56.576 U5.11
NetU5_12: U5.12 U6.25 | length 19.2
  Top Layer w0.254: v1(91.313,64.433) 89.031,62.151 89.031,57.905 89.405,57.531 v1(94.869,57.531)
  Bottom Layer w0.254: U6.25 v1(91.313,64.433) ; v1(94.869,57.531) 95.758,56.642 U5.12
NetU5_13: U5.13 U6.22 | length 12.2
  Bottom Layer w0.254: U6.22 92.125,62.911 92.125,61.221 92.456,60.89 92.456,59.309 93.472,58.293 95.238,58.293 97.028,56.503 U5.13
NetU5_14: U5.14 U6.21 | length 12.1
  Bottom Layer w0.254: U6.21 92.626,62.91 92.626,61.707 93.058,61.275 94.172,61.275 94.996,60.451 94.996,59.182 98.298,55.88 U5.14
NRST: STLINK1.2 U6.7 | length 31.2
  Top Layer w0.254: STLINK1.2 76.962,81.534 76.962,79.502 77.851,78.613 79.236,78.613 88.519,69.33 88.519,68.707 v1(90.932,66.294)
  Bottom Layer w0.254: v1(90.932,66.294) 93.846,66.294 94.485,66.933 U6.7
PC13: R15.1 U6.2 | length 6.9
  Top Layer w0.254: v1@99.947,70.451 100.941,69.457 R15.1
  Bottom Layer w0.254: U6.2 98.947,69.433 99.943,70.43 v1(99.943,70.451)
"PCB TEMP": "PCB NTC1.2" C18.2 R13.1 U6.10 | length 7.8
  Bottom Layer w0.254: U6.10@98.107,65.433 101.453,65.433 101.462,65.442 103.635,65.442 C18.2 105.93,65.452
"Sensor 1": "R11_U_Input Filter4.1" P4.1
"Sensor 2": "R11_U_Input Filter3.1" P4.2
"Sensor 3": "R11_U_Input Filter2.1" P4.3
"Sensor 4": "R11_U_Input Filter1.1" P4.4
SWCLK: STLINK1.3 U6.37 | length 16.7
  Top Layer w0.254: STLINK1.3 86.108,72.388 v1(89.156,72.388)
  Bottom Layer w0.254: v1(89.156,72.388) 89.159,72.388 90.114,71.433 U6.37
SWDIO: STLINK1.5 U6.34 | length 16.8
  Top Layer w0.254: STLINK1.5 85.852,75.184 v1(87.503,75.184)
  Bottom Layer w0.254: v1(87.503,75.184) 87.501,75.182 87.501,69.987 88.555,68.933 U6.34
"UART RX": SERIAL1.3 U6.31 | length 12.9
  Top Layer w0.254: v1(93.863,67.564) 93.863,67.554 93.98,67.437 93.98,62.484 SERIAL1.3
  Bottom Layer w0.254: U6.31 90.816,67.433 91.197,67.814 93.603,67.814 93.853,67.564 v1(93.863,67.564)
"UART TX": SERIAL1.2 U6.30 | length 10.5
  Top Layer w0.254: v1(93.091,66.929) 93.091,60.833 SERIAL1.2
  Bottom Layer w0.254: U6.30 93.087,66.933 v1(93.091,66.929)
USBDM: R37.2 U6.32 | length 27.7
  Top Layer w0.254: v1@96.139,68.58 96.139,70.231 100.751,74.843 100.751,75.604 105.41,80.263 v1(105.41,83.312)
  Bottom Layer w0.254: U6.32 90.669,67.933 91.316,68.58 v1(96.135,68.58) ; v1(105.41,83.312) 106.325,82.397 R37.2
USBDP: R35.1 R36.2 U6.33 | length 28.7
  Top Layer w0.254: v1(96.897,69.219) 96.897,69.338 96.901,69.342 96.901,69.977 104.394,77.47 104.394,78.6 106.014,80.221 v1(106.041,80.221)
  Bottom Layer w0.254: U6.33 90.489,68.433 91.398,69.342 94.052,69.342 94.175,69.219 v1(96.897,69.219) ; R35.1 105.436,82.524 106.041,81.919 v1(106.041,80.221) ; v1@106.014,80.221 106.05,80.185 R36.2
XTALA: C29.2 R22.2 U6.5 X1.1 | length 33.5
  Top Layer w0.203: v1@99.949,66.167 104.902,66.167 107.442,63.627 107.442,60.253 v1(109.882,57.812)
  Bottom Layer w0.203: U6.5 99.195,67.933 99.945,67.183 v1(99.945,66.167) ; v1(109.882,57.812) X1.1
  Bottom Layer w0.254: X1.1 109.882,66.448 110.337,66.903 R22.2 C29.2
XTALB: C30.2 R22.1 U6.6 X1.2 | length 34
  Top Layer w0.203: v1@99.314,66.802 99.314,71.214 103.764,75.665 v1(109.882,75.665)
  Bottom Layer w0.203: U6.6 99.06,67.433 99.31,67.183 v1(99.31,66.802) ; X1.2 v1(109.882,75.665)
  Bottom Layer w0.254: X1.2 109.882,68.523 110.331,68.074 115.613,68.074 ; R22.1 115.613,68.074 ; C30.2@115.613,69.368 115.613,68.074
XTALC: C19.2 U6.3 X2.1 | length 6.6
  Bottom Layer w0.203: U6.3@98.107,68.933 99.288,68.933 100.392,70.038 C19.2
XTALD: C20.2 U6.4 X2.2 | length 6.5
  Bottom Layer w0.203: U6.4@98.107,68.433 98.112,68.428 99.339,68.428 100.229,67.538 X2.2 C20.2
pads on no net: P1.0 P3.3 P3.4 STLINK1.4 STLINK1.6 STLINK1.9 STLINK1.10 U1.2 U2.2 U2.14 U5.7 U6.11 U6.12 U6.13 U6.14 U6.15 U6.16 U6.17 U6.29 U6.38 U6.39 U6.40 U6.41 U10.8 USB1.A8 USB1.B8 USB1.P2 USB1.P3 USB1.P4

## Polygon pours and split planes (outlines as drawn)
"0V (ISO)" on (GND) (split plane): 117.219,25.91 25.91,25.91 25.91,84.072 117.219,84.072
"5V (ISO)" on (PWR) (split plane): 117.219,25.91 25.91,25.91 25.91,84.072 97.635,84.072 97.635,72.138 88.646,72.138 88.596,72.129 88.554,72.101 88.526,72.059 88.517,72.009 88.517,63.375 82.296,63.375 82.246,63.366 82.204,63.338 82.176,63.296 82.167,63.246 82.167,58.674 82.176,58.624 82.204,58.582 82.246,58.554 82.296,58.545 101.852,58.545 101.852,49.784 101.861,49.734 101.889,49.692 101.931,49.664 101.981,49.655 102.031,49.664 102.073,49.692 102.101,49.734 102.11,49.784 102.11,58.674 102.101,58.724 102.073,58.766 102.031,58.794 101.981,58.803 82.425,58.803 82.425,63.117 88.646,63.117 88.696,63.126 88.738,63.154 88.766,63.196 88.775,63.246 88.775,71.88 97.764,71.88 97.814,71.889 97.856,71.917 97.884,71.959 97.894,72.009 97.894,84.072 117.219,84.072

## Other copper
(PWR) (plane layer: these items are gaps in the copper):
  lines w0.254: 97.764,84.582 97.764,72.009 88.646,72.009 88.646,63.246 82.296,63.246 82.296,58.674 93.091,58.674 101.981,58.674 101.981,49.784